# Altium PCB Sensor.PcbDoc
Units mil, origin at the board's own origin, x right, y up, seen from the top; angles counter-clockwise.
Board outline 10205.03 x 525.03 mil, 2 copper layers (Top Layer, Bottom Layer); 84 components, 57 nets, 198 pads, 23 vias.
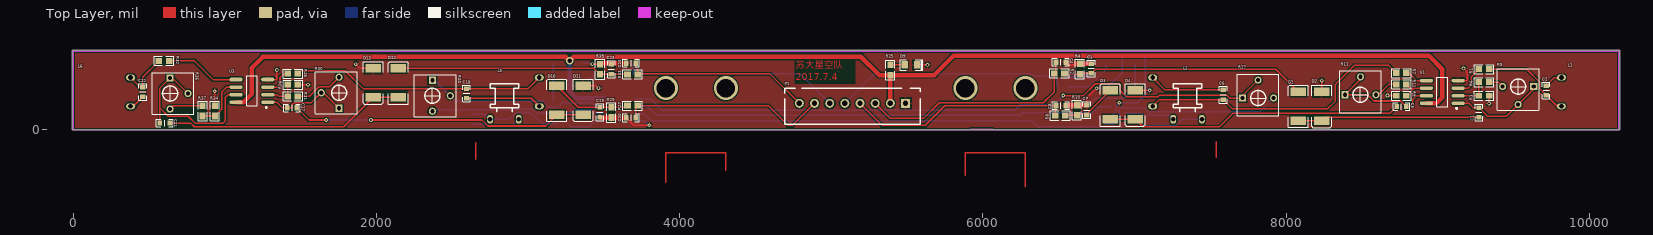
[diagram p0: Top Layer view]
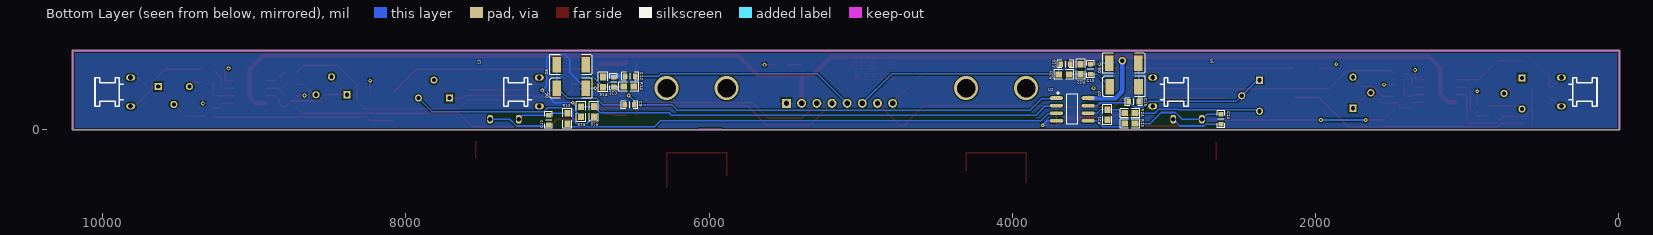
[diagram p1: Bottom Layer view, seen from below]
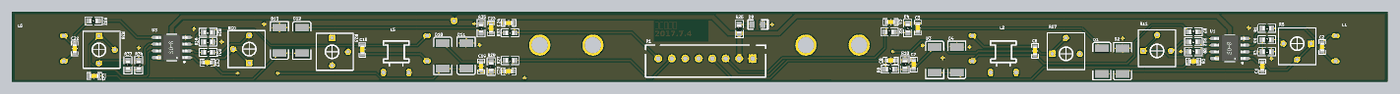
[diagram p2: 3D render of the assembled board from above, using the file's embedded part models]
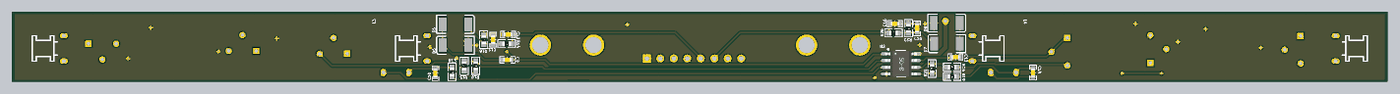
[diagram p3: 3D render of the assembled board from below, using the file's embedded part models]

## Layer stack, top to bottom
Top Solder: solder mask 0.4, Solder Resist, Dk 3.5
Top Layer: signal copper 1.4
Dielectric 1: dielectric 12.6, FR-4, Dk 4.8
Bottom Layer: signal copper 1.4
Bottom Solder: solder mask 0.4, Solder Resist, Dk 3.5

## Board outline
0,-5.01 cw(c0,0) -5.02,0 -5.02,515 cw(c0,515) 0,520.02 10195,520.02 cw(c10195,515) 10200.01,515 10200.01,0 cw(c10195,0) 10195,-5.01

## Design rules (kind name [scope] priority, off if disabled: settings)
Clearance [All] p1: gap=10
HoleSize [All] p1: absolutevalues=TRUE maxlimit=1000 minlimit=1 maxpercent=80.000 minpercent=20.000
MinimumSolderMaskSliver [All] p1: minsoldermaskwidth=0
PolygonConnect [All] p1: connectstyle=Relief reliefconductorwidth=10 reliefentries=4 polygonreliefangle="90 Angle" airgapwidth=10
RoutingVias [All] p1: holewidth=28 width=50 viastyle="Through Hole" minholewidth=1 minwidth=1 maxholewidth=100 maxwidth=100
SilkToSilkClearance [All] p1: silktosilkclearance=0
SilkToSolderMaskClearance [IsPad] p1: minsilkscreentomaskgap=0 clearancetoexposedcopper=TRUE
SolderMaskExpansion [All] p1: expansion=4
Width [All] p1: maxlimit=100 minlimit=10 preferedwidth=10 minimp=50.000000 maximp=50.000000 favimp=50.000000
26 further rules are at their usual default settings.

## Components (designator, comment, footprint, x,y, rotation, side; value= is the part's Value field where it differs from the comment)
C1 "1uF" 0603C 9271.54,110 r90 top
C2 "6.8nF" 0603C 9715,255 r90 top
C3 "1uF" 0603C 6715,400 r90 top
C4 "10nF" 0603C 6514.25,441.5 r0 top
C5 "1uF" 0603C 8760,148.54 r0 top
C6 "6.8nF" 0603C 7585,226.54 r90 top
C7 "1uF" 0603C 6685,125 r90 top
C8 "10nF" 0603C 6514.25,155 r0 top
C9 "1uF" 0603C 6525,160 r180 bottom
C10 "6.8nF" 0603C 7058.46,60 r270 bottom
C11 "1uF" 0603C 6630,310 r90 bottom
C12 "10nF" 0603C 6520,348.46 r0 bottom
C13 "1uF" 0603C 3200,180 r0 bottom
C14 "6.8nF" 0603C 2625,65 r270 bottom
C15 "1uF" 0603C 3485,394.97 r90 bottom
C16 "10nF" 0603C 3650,428.43 r180 bottom
C17 "1uF" 0603C 1445,140 r180 top
C18 "6.8nF" 0603C 2595,235 r270 top
C19 "1uF" 0603C 3475,111.54 r270 top
C20 "10nF" 0603C 3680,75 r180 top
C21 "1uF" 0603C 605,40 r180 top
C22 "6.8nF" 0603C 460,245 r270 top
C23 "1uF" 0603C 3550,394.46 r90 top
C24 "10nF" 0603C 3680,435 r180 top
D1 "IN5819" "DL-41 - duplicate" 8080,150.51 r90 top
D2 "IN5819" "DL-41 - duplicate" 8235,150 r270 top
D3 "IN5819" "DL-41 - duplicate" 6840,160 r90 top
D4 "IN5819" "DL-41 - duplicate" 7005,160 r270 top
D5 "IN5819" "DL-41 - duplicate" 6910,425 r180 bottom
D6 "IN5819" "DL-41 - duplicate" 6910,268.86 r0 bottom
D7 "IN5819" "DL-41 - duplicate" 3263.65,280 r0 bottom
D8 "IN5819" "DL-41 - duplicate" 3265,435 r180 bottom
D9 "RED" 0805LED 5525,423.46 r0 top
D10 "IN5819" "DL-41 - duplicate" 3190,190 r90 top
D11 "IN5819" "DL-41 - duplicate" 3365,190 r270 top
D12 "IN5819" "DL-41 - duplicate" 2145,305 r90 top
D13 "IN5819" "DL-41 - duplicate" 1980,305 r270 top
L1 "10mH" 6X8mm电感 9815,245 r270 top locked
L2 "10mH" 6X8mm电感 7120,245 r270 top locked
L3 "10mH" 6X8mm电感 7350,65 r180 bottom locked
L4 "10mH" 6X8mm电感 2845,65 r180 bottom locked
L5 "10mH" 6X8mm电感 3075,245 r90 top locked
L6 "10mH" 6X8mm电感 380,245 r90 top locked
P1 "电磁传感器" XH2.54_8P 5190,170 r180 top
R1 "Res2" 0603-1 9305,395 r180 top
R2 "Res2" 0603-1 6505,367.36 r0 top
R3 "Res2" 0603-1 9305,220 r180 top
R4 "Res2" 0603-1 6640,396.34 r270 top
R5 "200K" VR_3362P 9530,280.47 r180 top
R6 "Res2" 0603-1 9305,310 r0 top
R7 "Res2" 0603-1 8760,368.86 r0 top
R8 "Res2" 0603-1 6510,90 r0 top
R9 "Res2" 0603-1 8760,220 r0 top
R10 "Res2" 0603-1 6620,125.47 r270 top
R11 "200K" VR_3362P 8490,226.54 r0 top
R12 "Res2" 0603-1 8760,295 r180 top
R13 "Res2" 0603-1 6935,70 r270 bottom
R14 "Res2" 0603-1 6530,280 r0 bottom
R15 "Res2" 0603-1 6845,115 r90 bottom
R16 "Res2" 0603-1 6700,310 r270 bottom
R17 "200K" VR_3362P 7815,205 r0 top
R18 "Res2" 0603-1 6760,115.47 r270 bottom
R19 "Res2" 0603-1 3225,36.54 r0 bottom
R20 "Res2" 0603-1 3660,359.97 r180 bottom
R21 "Res2" 0603-1 3373.46,95 r90 bottom
R22 "Res2" 0603-1 3550,394.97 r270 bottom
R23 "200K" VR_3362P 2370,220 r270 top
R24 "Res2" 0603-1 3225,105 r180 bottom
R25 "Res2" 0603-1 5390,390 r90 top
R26 "Res2" 0603-1 1450,365.46 r180 top
R27 "Res2" 0603-1 3690,155 r180 top
R28 "Res2" 0603-1 1450,293.46 r180 top
R29 "Res2" 0603-1 3550,110 r90 top
R30 "200K" VR_3362P 1755,240 r90 top
R31 "Res2" 0603-1 1450,215.31 r0 top
R32 "Res2" 0603-1 600,450 r0 top
R33 "Res2" 0603-1 3690,361.54 r180 top
R34 "Res2" 0603-1 935,120 r270 top
R35 "Res2" 0603-1 3475,395 r270 top
R36 "200K" VR_3362P 640,235 r270 top
R37 "Res2" 0603-1 855,120 r90 top
U1 "LM358N" SOIC-8 9030,245 r180 top
U2 "LM358N" SOIC-8 3605,130 r180 bottom
U3 "LM358N" SOIC-8 1180,252 r180 top

## Footprints (in the part's own frame and the unit in brackets; to place one, negate y for a bottom-side part, rotate by r counter-clockwise, add the part's x,y. Pads: shape width x height; smd on the part's side, far side on the other; paste and mask are expansions set on the pad)
6X8mm电感 [mm]
  oval 1x1.5 hole 0.8: 1(-2.4,0) 2(2.4,0)
  body extent -3.57,-0.3 3.4,10.5, height 7.49
0603-1 [mm] "0603带丝印"
  rect 1.1x1 smd: 1(-0.85,0) 2(0.85,0)
  silkscreen extent -1.65,-0.76 1.65,0.76, body extent -0.8,-0.4 0.8,0.4, height 0.3
0603C [mil]
  rect 30x35 smd: 1(-32,0) 2(32,0)
  silkscreen extent -55,-25 55,25, body extent -31,-16 32,16, height 22
0805LED [mil]
  rect 40x50 smd: 1(-40,0) 2(40,0)
  silkscreen extent -70,-35 80,35
"DL-41 - duplicate" [mm]
  rect 1.45x2.6 smd: 1(-2.425,-0.012) 2(2.425,-0.012)
  silkscreen extent -3.55,-1.71 3.55,1.69
SOIC-8 [mm]
  oval 2.2x0.6 smd: 1(-2.654,1.905) 2(-2.654,0.635) 3(-2.654,-0.635) 4(-2.654,-1.905) 5(2.654,-1.905) 6(2.654,-0.635) 7(2.654,0.635) 8(2.654,1.905)
  silkscreen extent -2.53,-2.5 0.9,2.88, body extent -3,-2.45 3,2.45, height 1.7
VR_3362P [mm] "Potentiometer; 3 Leads"
  rect 1.2x1.2 hole 0.7: 1(-2.6,0)
  round 1.2 hole 0.7: 2(0,3) 3(2.6,0)
  silkscreen extent -3.5,-3 3.5,4
XH2.54_8P [mm]
  rect 1.5x1.5 hole 0.9: 1(-7.62,0)
  round 1.5 hole 0.9: 2(-5.08,0) 3(-2.54,0) 4(0,0) 5(2.54,0) 6(5.08,0) 7(7.62,0) 8(10.16,0)
  silkscreen extent -10.08,-2.54 12.57,3.5

## Part data
C1 C3 C4 C5 C7 C8 C9 C11 C12 C13 C15 C16 C17 C19 C20 C21 C23 C24: library part CAP
C2 C6 C10 C14 C18 C22: library part 6.8μF, "Capacitor"
D1 D2 D3 D4 D5 D6 D7 D8 D10 D11 D12 D13: library part Diode, "Default Diode"
D9: library part LED2, "Typical RED, GREEN, YELLOW, AMBER GaAs LED"
L1 L2 L3 L4 L5 L6: library part Inductor_1
P1: library part "Header 8X1A", "Header, 4-Pin, Dual row"
R1 R2 R3 R4 R6 R7 R8 R9 R10 R12 R13 R14 R15 R16 R18 R19 R20 R21 R22 R24 R25 R26 R27 R28 R29 R31 R32 R33 R34 R35 R37: "Resistor贴片封装"
R5 R11 R17 R23 R30 R36: library part RES-ADJ
U1 U2 U3: "Dual Low-Power Operational Amplifier"

## Via types
v1: diameter 24, hole 12, Top Layer to Bottom Layer, 18 vias
v2: diameter 157.48, hole 122.05, Top Layer to Bottom Layer, 4 vias
v3: diameter 50, hole 28, Top Layer to Bottom Layer, 1 vias

## Nets (pads, with @x,y where several pads share a name; then routed paths per layer and width w, separated by ;. In a path a pad name is that pad's centre, name@x,y a point inside that pad or via, vN(x,y) a via of type N, cw(c..) or ccw(c..) an arc to the next point about the centre after c; other vN are vias at no path point)
5V: P1.2 R25.1 U1.8 U2.8 U3.8 | length 9283.4
  Top Layer w30: U3.8 1124.68,177 1180,232.32 1180,405 1252.5,477.5 3250,477.5 3250,474.97 v3(3275,449.97) 3302.53,477.5 5195.96,477.5 5316.93,356.54 R25.1 ; P1.2 R25.1 ; U1.8 8991.46,170 9030,208.54 9030,395 8940,485 5807.77,485 5679.3,356.54 R25.1
  Bottom Layer w30: v3(3275,449.97) 3275,249.51 3320.22,204.29 3499.8,204.29 U2.8
AD1: C4.1 P1.3 R2.1 | length 1495.5
  Top Layer w10: P1.3 5390,70 5608.46,70 5711.93,173.46 6398.46,173.46 6471.54,246.54 R2.1 6482.25,378.07 C4.1
AD2: C8.1 P1.4 R8.1 | length 1466.4
  Top Layer w10: P1.4 5335,25 5620,25 5748.46,153.46 C8.1@6475.78,153.46 ; R8.1 6476.54,149.29 C8.1
AD3: C12.1 P1.5 R14.1 | length 1556.6
  Bottom Layer w10: P1.5 5283.74,363.74 6318.83,363.74 6334.1,348.46 C12.1 6488,288.54 R14.1
AD4: C16.1 P1.6 R20.1 | length 1450
  Bottom Layer w10: C16.1 3693.47,416.97 R20.1@3693.47,363.74 ; R20.1 R20.1@3693.47,363.74 ; P1.6 4796.26,363.74 R20.1@3693.47,363.74
AD5: C20.1 P1.7 R27.1 | length 1365.2
  Top Layer w10: C20.1 3712,143.54 R27.1 4585,155 4715,25 4745,25 P1.7
AD6: C24.1 P1.8 R33.1 | length 1225
  Top Layer w10: C24.1 3712,406.43 3723.46,394.97 R33.1@3723.46,363.74 ; R33.1 R33.1@3723.46,363.74 ; P1.8 4596.26,363.74 R33.1@3723.46,363.74
GND: C3.2 C4.2 C7.2 C8.2 C11.2 C12.2 C15.2 C16.2 C19.2 C20.2 C23.2 C24.2 D2.1 D4.1 D6.1 D8.1 D9.2 D11.1 D13.1 P1.1 R3.1 R4.1 R9.1 R10.1 R15.1 R16.1 R21.1 R22.1 R28.1 R29.1 R34.1 R35.1 U1.4 U2.4 U3.4 | length 3408.3
  Top Layer w10: R34.1 v1(935,250) ; U3.4 1337,327 1344.46,334.46 v1(1344.46,390) ; R28.1 v1(1550,293.46) ; v1(1865.03,428.43) 1892.99,400.47 D13.1 ; D11.1 3449.53,285.47 v1(3465,270) ; v1(3425,428.46) R35.1 ; C20.2 3698,25 v1(3800,25) v1@3800,21.73 ; D9.2 v1(5635,423.46) ; C7.2 6685,204.33 v1(6750,269.33) ; D4.1 v1(7100,255.47) ; D2.1 8234.53,319.53 v1(8235,320) ; v1(8668.62,221.38) 8670,220 R9.1 ; U1.4 9190,320 9195,325 9195,375.47 v1(9170,400.47) ; v1(9338.46,168.54) R3.1
  Top Layer w30: C19.2 3479.54,75 C20.2 ; R35.1 3481.54,435 C24.2 ; C8.2 6548.25,157 C7.2 ; C4.2 6555.75,432 C3.2
  Bottom Layer w10: D8.1 3418.94,434.53 v1(3425,428.46) ; U2.4 3770,55 v1(3800,25) ; v1(6750,269.33) D6.1 6920,374.8 6920,461.46 6949.25,490.71 7049.29,490.71 7071.46,468.54 7071.46,284.02 v1(7100,255.47) 7017.99,173.46 v1(6900,173.46) 6895.52,168.99 6895,168.99 6880.31,154.3 6880.31,116.85 R15.1
  Bottom Layer w30: C12.2 6695,348.46 R16.1
NetC1_1: C1.1 D1.1 D2.2 | length 1201
  Top Layer w10: D1.1 8080.98,54.53 D2.2 8258,78 C1.1
NetC1_2: C1.2 R5.1 R5.2 U1.1 | length 623.3
  Top Layer w10: U1.1 9205,170 9233,142 C1.2 9328.54,85 9452.64,85 R5.2 9632.36,264.72 R5.1
NetC2_1: C2.1 L1.2 R1.1 | length 603.7
  Top Layer w10: R1.1 9587.28,395 9670.98,311.29 9670.98,267.02 C2.1 9787.49,150.51 L1.2
NetC2_2: C2.2 L1.1 | length 121.7
  Top Layer w10: C2.2 9767.49,339.49 L1.1
NetC3_1: C3.1 D1.2 R2.2 R4.2 | length 1618.9
  Top Layer w10: R2.2 6542.95,362.87 R4.2 6645.13,368 C3.1 6742,395 7931.46,395 D1.2
NetC5_1: C5.1 D3.1 D4.2 | length 1963.4
  Top Layer w10: D3.1 D4.2 7054.06,15 7560,15 7650,105 8684.46,105 C5.1
NetC5_2: C5.2 R11.1 R11.2 U1.7 | length 775.8
  Top Layer w10: R11.2 8490,328.9 R11.1 8537.74,226.54 8578.96,185.31 8755.23,185.31 C5.2 8815,148.54 8835,168.54 8835,195 8860,220 U1.7
NetC6_1: C6.1 L2.2 R7.1 | length 1854.6
  Top Layer w10: L2.2 7164.02,194.54 C6.1 7646.9,132.64 8271.41,132.64 8325,186.23 8325,295.47 8449.53,420 8675.39,420 R7.1
NetC6_2: C6.2 L2.1 | length 498.5
  Top Layer w10: L2.1 7200.95,258.54 C6.2
NetC7_1: C7.1 D3.2 R8.2 R10.2 | length 391
  Top Layer w10: R8.2 6617.99,90 R10.2 6627.99,100 6685,100 D3.2 D3.2@6815.01,255.47
NetC9_1: C9.1 D5.1 D6.2 | length 649
  Bottom Layer w10: C9.1 6700,160 6743.15,203.15 6933.8,203.15 6999.98,269.33 D6.2 D5.1
NetC9_2: C9.2 R17.1 R17.2 U2.1 | length 4354.3
  Top Layer w10: v1(6530,221.38) 6663.86,221.38 6741.5,299.02 6897.87,299.02 6906.65,290.23 6906.65,252.41 6947.13,211.93 7153.13,211.93 7165.74,224.54 7608.71,224.54 7628.25,205 R17.1 7712.64,220.75 R17.2
  Bottom Layer w10: U2.1 3714.49,200 3807.96,200 3882.48,125.47 6210.47,125.47 6245,160 C9.2 6493,184.38 v1(6530,221.38)
NetC10_1: C10.1 L3.2 R13.1 | length 336.4
  Bottom Layer w10: R13.1 7047,103.46 C10.1 7228.51,92 L3.2
NetC10_2: C10.2 L3.1 | length 407.6
  Bottom Layer w10: C10.2 7065.99,20.47 7269.88,20.47 7314.41,65 L3.1
NetC11_1: C11.1 D5.2 R14.2 R16.2 | length 328
  Bottom Layer w10: R14.2 6699.09,280 6814.53,395.44 D5.2
NetC13_1: C13.1 D7.1 D8.2 | length 255.2
  Bottom Layer w10: C13.1 3168,280.3 D7.1 3168.18,433.18 D8.2
NetC13_2: C13.2 R23.1 R23.2 U2.7 | length 1231.5
  Bottom Layer w10: R23.1 2385.75,322.36 R23.2 2522.91,185.2 3099.21,185.2 3119.53,164.88 3119.53,162.47 3138.46,143.54 3195.54,143.54 C13.2 3237.71,174.29 3420.71,174.29 3440,155 U2.7
NetC14_1: C14.1 L4.2 R19.1 | length 628.5
  Bottom Layer w10: C14.1 2718.51,97 L4.2 2880.59,65 2925.12,109.53 3017.98,109.53 3090.98,36.54 R19.1
NetC14_2: C14.2 L4.1 | length 338.1
  Bottom Layer w10: C14.2 2723.62,33 2736.15,20.47 2894.96,20.47 L4.1
NetC15_1: C15.1 D7.2 R20.2 R22.2 | length 302.8
  Bottom Layer w10: D7.2 3441.62,362.97 C15.1 3548.54,362.97 R22.2 3625,361.5 R20.2
NetC17_1: C17.1 D10.1 D11.2 | length 1967.7
  Top Layer w10: C17.1 1557,60 v1(1670.47,60) ; v1(1965,60) 2696.62,60 2736.15,20.47 3116.42,20.47 D10.1 D11.2
  Bottom Layer w10: v1(1670.47,60) v1(1965,60)
NetC17_2: C17.2 R30.1 R30.2 U3.1 | length 583.5
  Top Layer w10: U3.1 1344.46,177 1381.46,140 C17.2 1447,140 1447,163.71 1455.79,172.5 1569.39,172.5 R30.2 1652.64,240 R30.1
NetC18_1: C18.1 L5.2 R26.1 | length 1678.5
  Top Layer w10: R26.1 1503,385 1795,385 1913,267 C18.1 3002.51,267 L5.2
NetC18_2: C18.2 L5.1 | length 501.7
  Top Layer w10: C18.2 3022.51,203 L5.1
NetC19_1: C19.1 D10.2 R27.2 R29.2 | length 529.6
  Top Layer w10: D10.2 3332.41,143.54 C19.1 3645.07,143.54 R27.2
NetC21_1: C21.1 D12.1 D13.2 | length 1599.4
  Top Layer w10: C21.1 775,40 800,15 1785,15 D13.2 D12.1
NetC21_2: C21.2 R36.1 R36.2 U3.7 | length 1199.6
  Top Layer w10: C21.2 573,140 ; R36.2 655.75,337.36 R36.1 573,270.36 573,140 ; U3.7 1022.47,227 1005,209.53 1005,55 987.5,37.5 807.5,37.5 760,85 628,85 573,140
NetC22_1: C22.1 L6.2 R32.1 | length 323
  Top Layer w10: L6.2 442.49,277 C22.1 460,343.46 R32.1
NetC22_2: C22.2 L6.1 | length 105.9
  Top Layer w10: L6.1 397.51,150.51 C22.2
NetC23_1: C23.1 D12.2 R33.2 R35.2 | length 1528
  Top Layer w10: D12.2 3436.06,400.47 R35.2 3549.07,361.54 C23.1 3655.61,362.46 R33.2
NetD9_1: D9.1 R25.2 | length 95
  Top Layer w10: R25.2 D9.1
NetR1_2: R1.2 U1.3 | length 220.1
  Top Layer w10: U1.3 9200,270 9220,290 9220,343.46 R1.2
NetR3_2: R3.2 R6.1 U1.2 | length 227
  Top Layer w10: U1.2 R3.2 R6.1
NetR5_3: R5.3 R6.2 | length 101.4
  Top Layer w10: R6.2 9398.11,310 R5.3
NetR7_2: R7.2 U1.5 | length 152.3
  Top Layer w10: R7.2 8811.14,368.86 8860,320 U1.5
NetR9_2: R9.2 R12.1 U1.6 | length 213.1
  Top Layer w10: R9.2 8843.46,270 ; R12.1 8818.46,270 8843.46,270 ; U1.6 8843.46,270
NetR11_3: R11.3 R12.2 | length 162.5
  Top Layer w10: R11.3 8607.21,226.54 8675.67,295 R12.2
NetR13_2: R13.2 U2.3 | length 3271.7
  Bottom Layer w10: U2.3 3714.49,100 3766.54,100 3810,56.54 6318.46,56.54 6360,15 6913.46,15 R13.2
NetR15_2: R15.2 R18.1 U2.2 | length 3180.8
  Bottom Layer w10: U2.2 3714.49,150 3787.25,150 3845.36,91.89 6247.6,91.89 6263.78,108.07 6719.13,108.07 R18.1 ; R18.1@6760,148.46 R15.2@6840.47,148.46
NetR17_3: R17.3 R18.2 | length 1309
  Bottom Layer w10: R18.2 6807.01,35 6875,35 6900.31,60.31 6900.31,131.33 6909.1,140.12 7064.06,140.12 7088.35,115.83 7828.19,115.83 R17.3
NetR19_2: R19.2 U2.5 | length 267.5
  Bottom Layer w10: R19.2 3280,15 3404.37,15 3444.37,55 U2.5
NetR21_2: R21.2 R24.1 U2.6 | length 261.5
  Bottom Layer w10: R24.1 3279.07,105 3302.53,128.46 R21.2 3419.24,128.46 3442.7,105 U2.6
NetR23_3: R23.3 R24.2 | length 842.1
  Bottom Layer w10: R23.3 2370,127 2904.95,127 2907.47,129.53 3037.09,129.53 3061.62,105 R24.2
NetR26_2: R26.2 U3.3 | length 196
  Top Layer w10: U3.3 1349,277 1365,293 1365,339.65 1390.82,365.46 R26.2
NetR28_2: R28.2 R31.1 U3.2 | length 215
  Top Layer w10: U3.2 1346,227 1357.68,215.32 R31.1 R28.2
NetR30_3: R30.3 R31.2 | length 324.2
  Top Layer w10: R31.2 1557.59,215.32 1620.89,278.62 1691.26,278.62 R30.3
NetR32_2: R32.2 U3.5 | length 493
  Top Layer w10: R32.2 800.43,450 923.43,327 U3.5
NetR34_2: R34.2 R37.1 U3.6 | length 365
  Top Layer w10: R37.1 R34.2 980,131.54 980,243.46 1013.54,277 U3.6
NetR36_3: R36.3 R37.2 | length 223.6
  Top Layer w10: R36.3 660.83,153.46 R37.2
copper on no net: | length 1685
  Top Layer w10: 2655,-200 2655,-90 ; 3910,-350 3910,-155 4305,-155 4305,-270 ; 5885,-305 5885,-155 6280,-155 6280,-380 ; 7540,-185 7540,-85
  other v2: 3910,270 4305,270 5885,270 6280,270

## Polygon pours and split planes (outlines as drawn)
GND on Bottom Layer "GND" (solid, remove dead copper, pour order 8): -90,585 -90,-84.01 -34.01,-140 5.99,-100 10330,-100 10330,670 10295,705 10195,605 -100,605
GND on Top Layer "GND" (solid, remove dead copper, pour order 10): -55,620 -55,-110 -45,-120 20,-55 10255,-55 10255,555 10275,575 10245,605 -55,605

## Keep-outs
Keep-Out Layer:
  lines w10: 5920,0 6065,0 ; 0,-5 10195,-5 10195,515 0,515 0,-5

## Other copper
Top Layer:
  text "苏大星空队 / 2017.7.4" at 4765,305 h80

## Dimensions
490,690 to 9705,755 on Top Layer
-25,0 to -115,515 on Top Layer
490,810 to 5100,755 on Top Layer
485,-300 to 3910,-425 on Top Layer
9705,-125 to 7540,-205 on Top Layer
490,-110 to 2655,-210 on Top Layer
9705,-336 to 6280,-460 on Top Layer
3910,-365 to 4305,-356 on Top Layer
6280,-395 to 5885,-380 on Top Layer
4305,-250 to 5095,-280 on Top Layer
5885,-305 to 5095,-300 on Top Layer
9705,-195 to 10195,-235 on Top Layer